# Altium PCB X98_CARRIER_V1R2_12082022.PcbDoc (part 5 of 10) (continued)
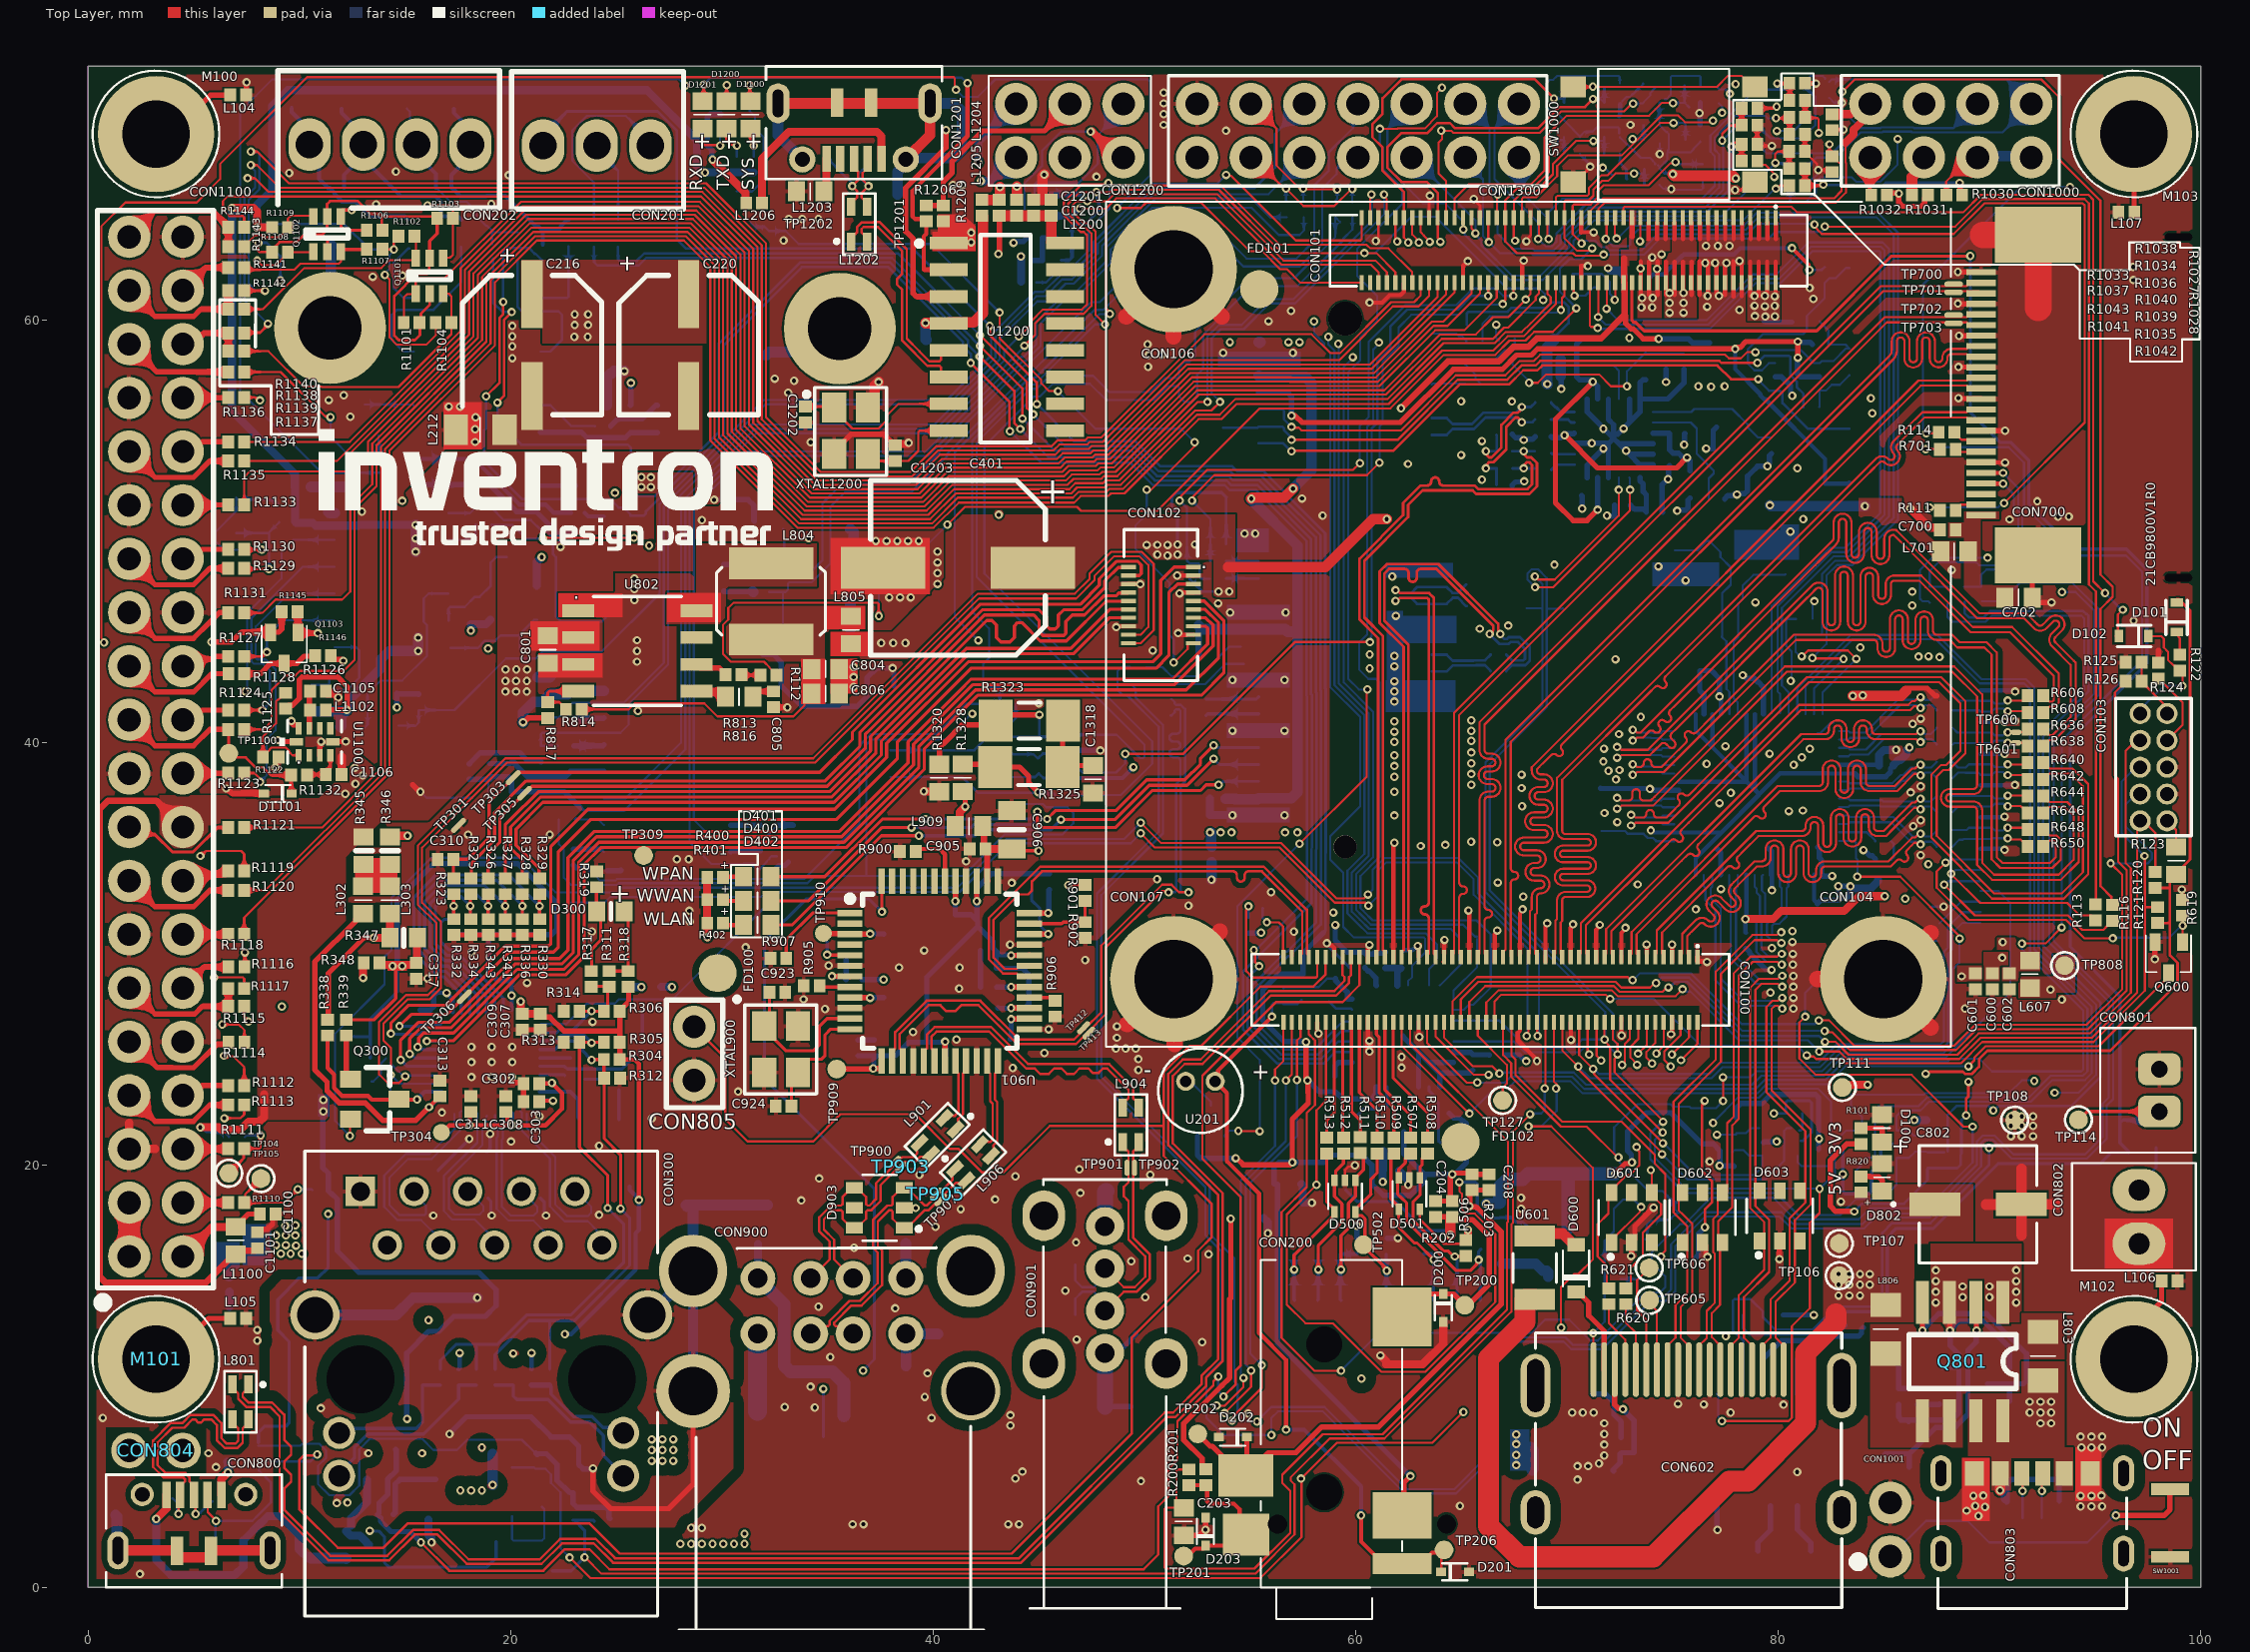
[diagram p0: Top Layer view]
## Nets (pads, with @x,y where several pads share a name; then routed paths per layer and width w, separated by ;. In a path a pad name is that pad's centre, name@x,y a point inside that pad or via, vN(x,y) a via of type N, cw(c..) or ccw(c..) an arc to the next point about the centre after c; other vN are vias at no path point) (continued)
  Bottom Layer w0.508: v1(19.138,4.848) 19.138,6.298 ; v1(20.582,40.953) 20.582,41.417 21.078,41.913 21.466,41.913 C1316.2@21.491,41.938 ; C1316.2@21.495,41.929 21.507,41.929 21.857,42.278 22.699,42.278 C1309.2@22.852,42.431 ; C1309.2@22.943,42.386 22.989,42.432 U1302.15@24.412,42.433 U1302.15@24.412,42.433 ; v1(53.174,33.499) C419.2@53.174,34.312 ; C410.2@69.704,57.346 C409.2@69.704,58.13
  other v1: 2.438,0.635 28.536,2.816 29.044,2.816 36.187,2.987 36.695,2.987 43.553,2.987 44.061,2.987 89.484,3.378 88.925,3.632 89.789,3.81 94.322,3.832 94.83,3.832 95.338,3.832 64.935,3.858 89.332,3.861 11.757,3.988 89.242,4.34 89.713,4.344 94.322,4.34 94.83,4.34 95.301,4.344 49.835,5.029 70.498,5.102 43.891,5.156 80.899,5.461 44.218,5.481 6.045,5.69 70.498,5.737 71.006,5.737 71.514,5.864 71.768,6.245 5.69,6.35 13.259,6.35 15.799,6.35 18.63,6.626 94.358,6.622 94.83,6.626 95.338,6.626 71.768,6.753 94.322,7.134 94.83,7.134 95.338,7.134 71.768,7.261 43.65,7.668 71.768,7.769 0.686,8.026 39.916,8.023 43.65,8.15 54.915,8.23 70.244,8.277 70.752,8.277 71.26,8.277 77.749,8.28 11.011,8.481 34.392,8.509 32.969,8.534 76.479,8.661 80.253,8.645 75.26,8.687 39.599,9.017 34.188,9.5 39.726,10.135 35.128,10.897 20.117,11.074 52.73,11.608 7.998,11.681 46.787,11.735 7.998,12.187 16.104,12.649 38.202,13.208 34.569,13.284 50.038,13.741 46.253,14.046 49.378,15.443 52.045,15.57 53.035,15.773 36.246,16.078 46.761,16.332 62.001,16.536 40.107,17.069 60.063,17.11 16.332,17.602 19.101,17.602 21.666,17.602 24.181,17.628 41.3,17.907 67.831,17.929 39.167,17.958 33.757,18.313 42.926,18.364 67.831,18.437 46.965,18.669 34.595,19.355 43.891,19.456 39.345,19.533 50.267,19.533 46.914,19.787 59.964,19.975 76.759,20.161 24.181,20.904 20.015,21.107 91.021,21.358 91.529,21.358 92.063,21.358 91.021,21.841 91.529,21.841 92.063,21.841 26.67,22.2 21.361,22.301 91.021,22.298 91.529,22.298 92.063,22.298 16.739,22.479 30.759,23.47 18.136,24.155 19.101,24.155 20.066,24.155 49.714,24.495 43.764,24.587 62.174,24.606 18.136,24.867 19.101,24.867 20.066,24.867 49.714,25.003 62.174,25.114 45.263,25.298 48.65,25.511 49.104,25.511 49.587,25.511 18.136,25.578 19.101,25.578 20.066,25.578 41.097,25.933 48.698,26.019 39.04,26.289 45.466,26.416 48.699,26.557 23.876,26.772 34.874,27.381 80.72,27.4 88.844,27.4 33.858,27.838 93.428,27.832 80.72,27.905 79.635,28.162 41.224,28.346 80.72,28.432 20.765,28.616 16.053,28.829 80.72,28.937 79.686,29.229 38.379,29.337 41.25,29.337 35.052,29.439 80.694,29.483 47.193,29.693 80.694,29.987 18.136,30.074 39.573,30.15 79.703,30.266 31.115,30.302 43.637,30.429 74.977,30.43 80.677,30.556 23.847,31.039 57.074,31.038 80.677,31.061 28.473,31.521 58.938,31.946 28.448,32.029 76.105,32.099 52.086,32.268 55.998,32.914 99.117,33.039 77.287,33.061 43.713,33.35 50.597,33.528 41.554,34.366 27.864,34.468 28.423,34.468 86.751,34.657 63.075,35.096 64.243,35.147 66.701,35.275 65.462,35.299 17.983,35.636 21.844,35.636 86.389,36.03 72.385,36.225 86.751,36.318 56.63,36.553 61.83,36.544 71.776,36.657 80.509,36.75 81.169,36.775 67.875,36.976 77.222,37.128 77.756,37.611 86.279,37.628 61.83,37.661 86.751,37.924 65.472,37.994 72.32,38.246 61.83,38.375 65.472,38.502 71.964,38.652 72.487,38.689 61.83,38.883 80.738,38.934 76.613,38.982 65.472,39.01 71.725,39.096 81.119,39.29 61.83,39.391 79.596,39.465 65.472,39.518 71.75,39.705 81.5,39.696 77.502,39.82 72.462,40.391 54.166,40.553 56.63,40.553 86.37,40.876 91.213,41.009 86.751,41.123 73.498,41.209 26.017,41.495 33.092,41.661 44.99,41.852 61.83,41.931 61.83,42.414 36.227,42.616 61.83,42.897 54.166,42.953 56.63,42.953 36.227,43.091 60.662,43.503 36.227,43.566 61.83,43.605 25.98,43.82 87.636,44.037 61.83,44.088 60.662,44.164 25.98,44.328 50.394,44.348 18.923,44.45 83.886,44.497 25.98,44.836 65.87,45.379 67.22,45.524 96.831,45.764 61.906,45.993 54.052,46.153 56.687,46.153 86.341,46.475 53.483,46.58 78.92,46.631 25.853,46.741 37.918,46.868 38.426,46.868 38.934,46.868 86.341,47.136 25.853,47.249 40.204,47.503 75.622,47.669 25.853,47.757 61.728,47.847 40.204,48.011 74.327,48.329 69.409,48.408 40.204,48.519 40.204,49.027 26.549,49.32 37.283,49.535 37.791,49.535 38.299,49.535 38.807,49.535 39.315,49.535 34.1,49.673 54.738,49.887 55.246,49.887 80.575,49.98 29.049,50.52 81.185,50.566 90.952,50.556 93.255,50.683 93.763,50.683 58.437,50.735 43.1,50.775 12.954,50.927 92.269,51.41 14.859,51.435 57.457,51.545 78.045,51.736 24.934,51.812 65.976,52.436 80.905,52.978 62.479,53.181 64.994,53.606 71.725,53.913 71.178,54.164 34.193,54.206 18.31,54.222 65.976,54.264 18.31,54.821 71.725,54.852 18.335,55.39 12.402,55.416 84.459,55.576 17.065,55.898 17.598,55.898 67.398,56.139 64.994,56.146 11.386,56.203 84.392,56.287 12.097,56.432 33.128,56.559 76.83,56.834 76.22,56.859 77.465,56.859 33.407,57.118 32.493,57.219 50.171,57.778 50.21,58.337 50.806,58.337 53.722,58.445 57.024,58.445 50.146,58.845 72.955,59.15 55.871,59.94 56.938,60.423 78.172,60.473 76.638,60.623 81.664,60.992 76.664,61.131 77.197,61.131 81.494,61.518 96.82,61.885 13.468,62.045 14.865,62.096 96.806,62.503 76.547,62.697 77.019,62.697 77.556,62.697 78.162,62.787 76.581,63.503 77.14,63.503 77.699,63.503 41.798,63.674 32.913,63.764 41.798,64.132 33.167,64.78 33.802,64.78 34.563,64.779 13.621,65.474 19.078,65.486 65.589,65.728 40.931,66.392 41.388,66.392 47.727,66.777 19.905,66.849 9.506,66.948 14.561,67.024 71.101,67.252 53.854,68.954 50.908,69.234 73.006,69.234 50.908,69.742 50.908,70.25 50.908,70.758 81.792,71.19
GPIO_EXP_1: CON101.54 R1118.1 | length 102.7
  Top Layer w0.102: R1118.1@7.375,30.91 7.375,31.697 14.253,38.575 14.253,53.805 19.249,58.801 19.249,61.777 21.23,63.758 28.198,63.758 29.445,62.511 29.445,54.289 33.574,50.16 40.019,50.16 41.211,51.352 46.671,51.352 46.98,51.66 48.289,51.66 48.418,51.789 49.052,51.789 52.566,55.303 53.644,55.303 54.357,56.017 61.563,56.017 64.093,58.546 66.513,58.546 67.192,59.225 67.952,59.225 68.367,59.64 69.479,60.753 CON101.54@69.479,61.757
GPIO_EXP_2: CON101.60 R1133.1 | length 84.5
  Top Layer w0.102: R1133.1@7.375,51.251 7.375,52.562 7.645,52.832 12.344,52.832 12.548,53.035 ; 12.549,53.033 13.237,53.721 13.237,54.226 18.233,59.222 18.233,62.198 20.809,64.774 28.619,64.774 30.461,62.932 30.461,54.71 33.995,51.176 39.598,51.176 40.819,52.396 46.279,52.396 46.559,52.676 47.868,52.676 47.997,52.805 48.631,52.805 52.496,56.67 56.701,56.67 56.705,56.667 61.351,56.667 63.994,59.309 65.684,59.309 66.503,60.128 67.214,60.128 v1(68.047,60.96) 68.047,60.993 68.279,61.226 CON101.60@68.279,61.757
GPIO_EXP_3: CON101.74 R1134.1 | length 79.6
  Top Layer w0.102: R1134.1@7.375,54.229 12.378,54.229 17.623,59.474 17.623,62.451 20.556,65.384 28.871,65.384 31.07,63.185 31.07,54.962 34.247,51.786 39.346,51.786 40.566,53.006 46.026,53.006 46.306,53.286 47.616,53.286 47.744,53.414 48.378,53.414 52.244,57.28 56.954,57.28 56.957,57.276 60.961,57.276 63.603,59.919 64.145,59.919 65.481,61.254 CON101.74@65.481,61.975
GPIO_EXP_4: CON101.56 R1120.2 | length 101.1
  Top Layer w0.102: R1120.2@7.375,32.997 8.388,32.997 14.049,38.659 14.049,53.889 19.046,58.885 19.046,61.862 21.145,63.961 28.282,63.961 29.648,62.596 29.648,54.373 33.658,50.363 39.935,50.363 41.155,51.583 46.615,51.583 46.895,51.864 48.205,51.864 48.333,51.992 48.968,51.992 52.482,55.507 53.56,55.507 54.314,56.26 61.52,56.26 64.162,58.903 66.583,58.903 67.108,59.428 67.867,59.428 68.283,59.844 69.23,60.791 69.23,61.083 69.079,61.234 CON101.56@69.079,61.757
GPIO_EXP_5: CON101.93 R1121.2 | length 97.2
  Top Layer w0.102: R1121.2@7.375,35.969 11.073,35.969 13.846,38.743 13.846,53.973 18.842,58.969 18.842,61.946 21.061,64.165 28.366,64.165 29.851,62.68 29.851,54.457 33.742,50.566 39.851,50.566 41.071,51.787 46.531,51.787 46.811,52.067 48.121,52.067 48.249,52.195 48.883,52.195 52.398,55.71 53.171,55.71 v1(53.576,56.115) ; v1(61.341,65.937) 61.341,65.856 61.471,65.727 CON101.93@61.471,64.837
  Bottom Layer w0.102: v1(53.576,56.115) 53.576,56.129 53.182,56.523 53.182,59.13 53.615,59.564 54.707,59.564 55.922,60.778 57.138,60.778 61.341,64.982 v1(61.341,65.937)
GPIO_EXP_6: CON101.97 R1125.2 | length 91.6
  Top Layer w0.102: R1125.2@7.375,40.613 8.312,40.613 8.681,40.982 8.681,42.48 9.372,43.171 9.804,43.171 10.018,43.385 12.083,43.385 12.602,43.904 12.602,51.094 13.643,52.135 13.643,54.057 18.639,59.054 18.639,62.03 20.977,64.368 28.451,64.368 30.054,62.764 30.054,54.541 33.826,50.77 39.767,50.77 40.987,51.99 46.447,51.99 46.727,52.27 48.037,52.27 48.165,52.398 48.799,52.398 52.515,56.115 v1(52.983,56.115) ; CON101.97@60.679,64.837 60.679,65.792 60.743,65.856 v1(60.743,65.937)
  Bottom Layer w0.102: v1(52.983,56.115) 52.979,56.119 52.979,59.215 53.531,59.767 54.595,59.767 55.809,60.981 57.054,60.981 60.743,64.671 v1(60.743,65.937)
GPIO_EXP_7: CON101.58 R1131.2 | length 89.5
  Top Layer w0.102: R1131.2@7.375,46.129 8.235,46.129 8.867,46.761 12.017,46.761 12.398,47.142 12.398,51.178 13.44,52.219 13.44,54.142 18.436,59.138 18.436,62.114 20.893,64.571 28.535,64.571 30.258,62.848 30.258,54.625 33.91,50.973 39.682,50.973 40.903,52.193 46.363,52.193 46.643,52.473 47.953,52.473 48.081,52.602 48.715,52.602 52.58,56.467 56.617,56.467 56.621,56.463 61.435,56.463 64.078,59.106 66.498,59.106 67.024,59.631 67.216,59.631 68.525,60.94 68.525,61.1 68.679,61.254 CON101.58@68.679,61.757
GPIO_EXP_8: CON101.68 R1137.2 | length 83.4
  Top Layer w0.102: R1137.2@7.375,57.534 9.103,57.534 11.205,55.432 11.43,55.432 v1(11.465,55.397) ; v1(12.478,53.46) 12.478,53.754 18.03,59.306 18.03,62.282 20.725,64.977 28.703,64.977 30.664,63.016 30.664,54.794 34.079,51.379 39.514,51.379 40.734,52.599 46.194,52.599 46.475,52.88 47.784,52.88 47.913,53.008 48.547,53.008 52.412,56.873 56.786,56.873 56.789,56.87 61.129,56.87 63.771,59.512 65.141,59.512 66.675,61.046 CON101.68@66.675,61.757
  Bottom Layer w0.102: v1(11.465,55.397) 11.465,54.473 v1(12.478,53.46)
GPIO_EXP_9: Q1101.6 R1102.1 R1140.2 | length 10.1
  Top Layer w0.102: R1140.2@7.375,60.506 8.271,60.506 10.221,62.455 13.87,62.455 14.234,62.82 15.504,62.82 Q1101.6@15.552,62.868 ; Q1101.6@15.504,62.915 R1102.1@15.504,63.866
GPIO_EXP_9_1V8: CON101.78 Q1101.1 R1101.1 | length 68
  Top Layer w0.102: R1101.1@14.935,59.969 14.935,60.579 14.935,61.062 15.088,61.214 15.355,61.214 15.494,61.353 15.494,61.824 15.634,61.963 16.848,61.963 20.472,65.587 28.956,65.587 31.274,63.269 31.274,55.046 34.331,51.989 39.262,51.989 40.482,53.209 45.942,53.209 46.222,53.489 47.532,53.489 47.66,53.618 48.294,53.618 52.16,57.483 57.038,57.483 57.042,57.479 60.862,57.479 64.679,61.297 CON101.78@64.679,61.976
GPIO_EXP_10: Q1102.3 R1107.1 R1141.1 | length 6.4
  Top Layer w0.102: R1141.1@7.375,62.477 7.474,62.378 9.753,62.378 10.033,62.659 11.859,62.659 11.963,62.763 11.963,63.017 Q1102.3@11.989,63.043
  Top Layer w0.152: Q1102.3@11.913,63.322 11.93,63.339 R1107.1@13.179,63.339
GPIO_EXP_10_1V8: CON100.100 Q1102.4 R1106.1 | length 123.8
  Top Layer w0.102: v1(53.416,8.603) 53.81,8.603 54.682,9.475 v1(54.682,9.917) ; v1(56.179,24.001) 56.179,24.525 56.579,24.926 CON100.100@56.579,26.757 CON100.100@56.579,26.815
  Top Layer w0.152: Q1102.4@11.989,64.694 11.963,64.668 11.963,64.389 12.106,64.246 R1106.1@13.179,64.246 ; Q1102.4@11.989,65.176 12.019,65.207 v1(12.466,65.207)
  Layer 2 w0.102: 8.966,62.484 8.839,62.357 8.026,62.357 7.789,62.119 7.789,57.879 9.392,56.276 9.392,45.371 10.372,44.391 10.372,31.841 10.253,31.721 10.253,19.862 10.994,19.12 10.994,17.352 11.481,16.866 12.268,16.866 14.529,14.605 14.529,13.34 21.621,6.248 23.139,6.248 23.495,6.604 24.282,6.604 24.638,6.248 25.832,6.248 26.671,5.41 27.962,5.41 42.94,5.41 45.988,8.458 53.271,8.458 v1(53.416,8.603) ; 8.97,62.48 11.697,65.207 v1(12.466,65.207)
  Bottom Layer w0.102: v1(54.682,9.917) 54.682,9.98 54.557,10.104 54.557,19.277 56.179,20.898 v1(56.179,24.001)
GPIO_EXP_11: Q1101.3 R1104.1 R1139.1 | length 13.8
  Top Layer w0.102: R1139.1@7.375,58.52 8.523,58.52 10.192,56.851 11.022,56.851 11.054,56.819 14.68,56.819 17.191,59.33 17.191,61.117 17.069,61.239 Q1101.3@16.815,61.239
GPIO_EXP_11_1V8: CON100.96 Q1101.4 R1103.1 | length 133.4
  Top Layer w0.102: v1@16.104,65.43 16.11,65.424 17.126,65.424 17.26,65.29 R1103.1@17.26,64.814 17.26,63.082 17.12,62.941 Q1101.4@16.764,62.941 ; v1(54.152,7.892) 54.21,7.949 54.21,8.101 55.555,9.447 v1(55.555,10.515) ; v1(57.216,24.016) 57.22,24.02 57.22,25.886 57.385,26.051 CON100.96@57.385,26.815
  Layer 2 w0.102: v1@16.04,65.405 15.572,64.937 13.629,64.937 13.006,65.559 10.924,65.559 8.585,63.221 7.696,63.221 7.382,62.907 7.382,57.711 8.985,56.108 8.985,45.185 9.966,44.205 9.966,32.009 9.846,31.889 9.846,19.694 10.588,18.952 10.588,17.184 11.312,16.459 12.1,16.459 14.122,14.437 14.122,13.146 14.244,13.025 23.211,4.058 26.825,4.058 27.771,5.003 43.108,5.003 45.997,7.892 v1(54.152,7.892)
  Bottom Layer w0.102: v1(55.555,10.515) 55.01,11.06 55.01,19.154 57.22,21.364 57.22,24.012 v1(57.216,24.016)
  other v1: 16.059,65.424
GPIO_EXP_12: Q1102.6 R1109.1 R1143.2 | length 4.1
  Top Layer w0.102: R1143.2@7.375,63.472 7.375,63.498 7.878,64.001 8.211,64.001 8.296,63.916 9.04,63.916 R1109.1@9.412,64.288 ; R1109.1@9.444,64.373 9.449,64.378 9.449,64.795 9.576,64.922 Q1102.6@10.592,64.922
GPIO_EXP_12_1V8: CON100.98 Q1102.1 R1108.1 | length 120.9
  Top Layer w0.102: v1(7.991,62.807) 8.213,62.586 8.876,62.586 R1108.1@9.328,63.038 ; R1108.1@9.444,63.212 10.685,63.212 Q1102.1@10.693,63.221 ; v1(53.797,8.247) 55.047,9.497 v1(55.047,10.261) ; v1(56.692,23.995) 56.972,24.275 CON100.98@56.972,26.815
  Layer 2 w0.102: v1@7.976,62.789 7.973,62.789 7.586,62.401 7.586,57.795 9.189,56.192 9.189,45.269 10.169,44.289 10.169,31.925 10.049,31.805 10.049,19.778 10.791,19.036 10.791,17.268 11.397,16.662 12.184,16.662 14.326,14.521 14.326,13.23 23.295,4.261 26.741,4.261 27.687,5.206 43.024,5.206 46.065,8.247 v1(53.797,8.247)
  Bottom Layer w0.102: v1(55.047,10.261) 55.047,10.278 54.806,10.519 54.806,19.238 56.692,21.124 v1(56.692,23.995)
HDMI_HPD: CON100.48 Q601.2 R627.2 TP603.1 U600.14 | length 49.8
  Top Layer w0.102: CON100.48@66.979,26.815 66.979,25.197 67.36,24.816 67.36,24.17 69.719,21.812 70.938,21.812 72.393,20.356 v1(72.437,20.356) ; v1@77.392,23.027 v1(77.392,24.148) ; v1(83.75,33.639) 85.781,33.639 v1@88.576,30.844
  Bottom Layer w0.102: v1@72.402,20.322 72.402,20.398 72.235,20.565 72.235,21.772 73.341,22.878 74.907,22.878 75.034,22.751 75.817,22.751 75.884,22.685 77.052,22.685 v1(77.395,23.027) 77.431,23.063 v1@77.47,23.063 ; v1(72.437,20.356) 72.494,20.299 72.494,20.124 73.858,18.76 74.525,18.76 75.137,18.148 75.137,17.867 75.287,17.717 75.203,17.717 75.101,17.615 75.074,17.615 74.864,17.404 74.24,17.404 74.184,17.348 74.184,17.337 R627.2@73.944,17.337 ; Q601.2@73.725,16.479 Q601.2@73.806,16.56 ; Q601.2@73.79,16.575 73.79,17.183 R627.2@73.944,17.337 ; R627.2@73.968,17.361 R627.2@73.944,17.337 ; v1(77.392,24.148) 78.687,24.148 78.967,24.428 82.075,24.428 82.937,25.291 87.843,25.291 88.251,25.699 88.251,29.25 88.576,29.575 88.576,30.704 v1(88.593,30.721) ; U600.14@82.897,35.339 83.59,35.339 83.685,35.244 83.685,34.514 83.75,34.45 v1(83.75,33.639)
HDMI_XTALI: C613.1 R600.1 U600.53 XTAL600.1 | length 10.8
  Bottom Layer w0.102: C613.1@75.102,49.096 76.192,49.096 XTAL600.1@76.623,49.527 76.748,49.527 77.272,49.003 77.272,48.768 77.75,48.29 77.75,47.462 77.344,47.056 R600.1@77.344,46.553 77.344,45.027 77.322,45.005 77.55,44.776 77.55,42.528 77.693,42.385 77.693,41.343 U600.53@77.697,41.339
HDMI_XTALO: C612.1 R600.2 U600.54 XTAL600.3 | length 8.6
  Bottom Layer w0.102: U600.54@78.097,41.339 78.089,41.347 78.089,41.885 77.896,42.078 77.896,44.792 78.109,45.005 78.109,46.538 R600.2@78.094,46.553 78.323,46.782 78.323,47.426 XTAL600.3@78.823,47.927 80.32,47.927 C612.1@80.344,47.951
HDMICK_N: CON602.12 D602.1 U600.21 | length 27.9
  Top Layer w0.102: CON602.12@74.762,10.309 74.76,11.442 75.138,11.821 75.138,13.359 75.692,13.912 75.692,16.323 75.692,17.106 75.145,17.652 75.044,17.754 75.044,19.156 75.049,19.161 75.049,22.991 77.049,24.991 77.049,29.148 78.781,30.881 79.935,30.881 80.064,31.01 v1(80.143,31.01)
  Bottom Layer w0.102: v1(80.143,31.01) 80.064,31.01 79.935,30.881 79.774,30.881 79.711,30.943 79.711,31.311 79.813,31.413 80.055,31.413 80.405,31.762 80.405,33.102 80.483,33.18 U600.21@80.483,33.73
HDMICK_P: CON602.10 D602.6 U600.22 | length 28
  Top Layer w0.102: CON602.10@75.76,10.309 75.76,11.442 75.382,11.821 75.382,13.258 75.935,13.812 75.935,17.207 75.792,17.349 75.489,17.652 75.287,17.855 75.287,19.003 75.292,19.009 75.292,22.89 77.292,24.89 77.292,29.047 78.882,30.637 79.944,30.637 80.073,30.508 v1(80.152,30.508)
  Bottom Layer w0.102: U600.22@80.083,33.73 80.083,33.18 80.161,33.102 80.161,31.863 79.97,31.672 79.728,31.672 79.468,31.412 79.468,30.842 79.673,30.637 79.944,30.637 80.073,30.508 v1(80.152,30.508)
HDMITX0_N: CON602.9 D602.4 U600.24 | length 27.1
  Top Layer w0.102: CON602.9@76.26,10.309 76.26,11.443 76.617,11.8 76.617,13.085 77.004,13.473 77.004,15.79 76.918,15.877 76.918,17.432 77.147,17.661 77.147,18.344 77.496,18.693 77.589,18.693 77.589,21.975 77.89,22.276 77.89,29.052 78.697,29.858 79.96,29.858 80.092,29.991 v1(80.169,29.991)
  Bottom Layer w0.102: U600.24@79.283,33.73 79.234,33.681 79.234,33.077 79.228,33.072 79.228,32.987 79.381,32.834 79.381,31.613 79.211,31.442 79.211,30.188 79.54,29.858 79.96,29.858 80.092,29.991 v1(80.169,29.991)
HDMITX0_P: CON602.7 D602.3 U600.25 | length 27
  Top Layer w0.102: CON602.7@77.26,10.309 77.26,11.443 76.86,11.843 76.86,12.985 77.247,13.372 77.247,16.236 77.161,16.323 77.161,17.331 77.832,18.003 77.832,21.874 78.133,22.175 78.133,28.951 78.797,29.615 79.96,29.615 80.092,29.483 v1(80.169,29.483)
  Bottom Layer w0.102: U600.25@78.883,33.73 78.883,33.18 78.985,33.078 78.985,32.887 79.138,32.734 79.138,31.713 78.967,31.542 78.967,30.087 79.439,29.615 79.96,29.615 80.092,29.483 v1(80.169,29.483)
HDMITX1_N: CON602.6 D603.1 U600.27 | length 27.3
  Top Layer w0.102: CON602.6@77.762,10.309 77.76,11.443 78.138,11.821 78.138,13.838 79.331,15.03 79.331,17.302 78.681,17.952 78.681,28.391 79.103,28.813 79.82,28.813 79.985,28.813 80.122,28.949 v1(80.194,28.949)
  Bottom Layer w0.102: U600.27@78.083,33.73 78.083,33.18 78.005,33.102 78.005,29.869 79.051,28.822 79.061,28.812 79.985,28.812 80.122,28.949 v1(80.194,28.949)
HDMITX1_P: CON602.4 D603.6 U600.28 | length 27.3
  Top Layer w0.102: CON602.4@78.76,10.309 78.76,11.443 78.382,11.821 78.382,13.737 79.574,14.929 79.574,17.403 79.431,17.545 79.381,17.595 78.924,18.053 78.924,28.29 79.204,28.569 79.72,28.569 79.985,28.569 80.122,28.432 v1(80.194,28.432)
  Bottom Layer w0.102: U600.28@77.683,33.73 77.683,33.18 77.761,33.102 77.761,29.768 78.96,28.569 79.985,28.569 80.122,28.432 v1(80.194,28.432)
HDMITX2_N: CON602.3 D603.4 U600.30 | length 28.2
  Top Layer w0.102: CON602.3@79.26,10.309 79.26,11.442 79.638,11.821 79.638,13.618 80.55,14.529 80.55,17.483 81.286,18.219 81.286,21.595 79.768,23.113 79.443,23.438 79.443,27.478 79.741,27.775 79.985,27.775 80.118,27.908 v1(80.194,27.908)
  Bottom Layer w0.102: U600.30@76.883,33.73 76.883,33.18 76.805,33.102 76.805,32.621 77.273,32.152 77.273,28.836 78.334,27.775 79.985,27.775 80.118,27.908 v1(80.194,27.908)
HDMITX2_P: CON602.1 D603.3 U600.31 | length 28.2
  Top Layer w0.102: v1(80.194,27.4) 80.118,27.4 79.985,27.532 79.842,27.532 79.686,27.377 79.686,23.539 80.112,23.113 81.53,21.696 81.53,18.118 80.793,17.382 80.793,14.429 79.882,13.517 79.882,11.821 80.26,11.442 CON602.1@80.26,10.309
  Bottom Layer w0.102: U600.31@76.483,33.73 76.483,33.18 76.561,33.102 76.561,32.52 77.03,32.052 77.03,28.735 78.233,27.532 79.985,27.532 80.118,27.4 v1(80.194,27.4)
HP_DETECT: C203.2 CON100.70 R201.1 | length 45.4
  Top Layer w0.102: C203.2@51.862,3.766 51.506,4.121 51.506,5.524 51.565,5.584 R201.1@52.222,5.584 ; C203.2@51.869,3.766 50.999,3.766 50.94,3.706 50.94,0.946 50.999,0.886 55.202,0.886 56.902,2.587 56.902,4.568 56.523,4.947 56.523,5.333 58.44,7.249 61.275,7.249 67.165,13.139 67.165,17.268 67.203,17.306 67.203,21.108 62.579,25.732 CON100.70@62.579,26.815
HPD: CON602.19 D601.1 R623.2 R624.2 | length 11.8
  Top Layer w0.102: CON602.19@71.18,11.212 71.262,11.13 CON602.19@71.262,10.309 ; v1(71.247,12.04) 71.247,11.322 CON602.19@71.272,11.297 ; D601.1@72.118,16.323 72.118,16.448 73.456,17.785 73.456,17.951 v1(73.513,18.008)
  Bottom Layer w0.102: v1(71.247,12.04) 71.787,12.58 R623.2@71.787,14.594 71.787,15.428 71.787,16.41 72.221,16.844 72.221,17.926 72.656,18.36 73.16,18.36 73.447,18.074 v1@73.485,18.074
I2C2_SCL_1V8: Q602.4 R629.1 U600.62 | length 47.8
  Bottom Layer w0.102: U600.62@81.297,41.339 81.295,41.341 81.295,42.645 83.532,44.881 87.453,44.881 89.544,42.79 91.651,42.79 91.923,42.518 91.923,30.116 93.652,28.387 93.658,28.387 93.983,28.062 93.983,28.056 94.647,27.392 94.647,24.429 94.438,24.221 92.902,24.221 91.879,23.198 87.053,23.198 86.639,22.784 84.734,22.784 84.582,22.631 84.582,20.405 84.522,20.345 Q602.4@84.099,20.345 ; R629.1@83.679,19.198 83.679,19.722 83.947,19.99 83.947,20.269 Q602.4@83.972,20.295
I2C2_SCL_3V3: CON100.22 Q602.3 R100.1 R628.1 R702.2 TP100.1 U200.29 U400.8 U1101.6 | length 135.3
  Top Layer w0.102: v1(68.488,47.346) 69.349,47.346 72.986,50.983 v1(72.986,51.953) ; CON100.22@72.179,26.757 72.179,25.938 72.396,25.721 v1(72.396,25.233) 72.396,25.152 72.256,25.012 72.256,24.383 74.552,22.087 v1(74.552,22.044)
  Layer 2 w0.117: v1(89.992,20.803) 89.992,21.615 90.195,21.819 v1@90.195,22.631
  Bottom Layer w0.102: U200.29@64.628,25.844 67.495,25.844 68.014,25.325 70.582,25.325 70.837,25.58 72.012,25.58 72.36,25.233 v1(72.396,25.233) 72.396,25.712 72.188,25.92 72.188,27.152 66.349,32.992 66.349,38.966 69.044,41.661 69.044,46.326 ; v1(68.488,47.346) 68.133,47.702 68.133,47.994 68.339,48.2 68.631,48.2 69.044,47.787 69.044,46.326 ; TP100.1@69.811,46.352 69.785,46.326 69.044,46.326 ; U400.8@72.961,52.531 72.974,52.519 72.974,51.965 v1(72.986,51.953) ; v1(74.552,22.044) 74.512,22.044 73.949,21.481 73.949,20.278 75.558,18.669 79.902,18.669 80.943,17.628 82.931,17.628 83.693,18.39 84.938,18.39 85.598,19.05 Q602.3@85.598,20.295 ; Q602.3@85.597,20.33 86.193,20.33 86.487,20.625 R628.1@87.02,20.625
  Bottom Layer w0.117: U1101.6@78.364,9.166 78.364,11.662 77.854,12.172 77.854,13.566 77.931,13.644 78.695,13.644 78.824,13.515 79.289,13.05 79.289,12.772 79.847,12.214 81.657,12.214 82.728,13.284 84.732,13.284 84.931,13.483 84.931,16.783 85.395,17.247 87.224,17.247 89.992,20.015 v1(89.992,20.803) ; R628.1@87.076,20.598 87.857,20.598 R100.1@87.859,20.599 ; R100.1@88.024,20.637 88.024,22.365 88.443,22.784 89.967,22.784 90.195,22.555 90.424,22.784 93.874,22.784 95.264,24.173 95.264,27.672 92.54,30.396 92.54,40.267 94.699,42.426 94.699,45.992 94.615,46.076 94.578,46.076 94.442,46.212 90.034,46.212 89.742,45.92 89.03,45.92 88.824,46.126 R702.2@88.824,46.634
  other v1: 90.183,22.578
I2C2_SDA_1V8: Q602.1 R625.1 U600.61 | length 46.1
  Bottom Layer w0.102: U600.61@80.897,41.339 80.907,41.349 80.907,42.557 83.435,45.084 87.537,45.084 89.628,42.993 91.735,42.993 92.126,42.602 92.126,30.201 93.736,28.59 93.742,28.59 94.186,28.146 94.186,28.14 94.85,27.476 94.85,24.345 94.523,24.018 92.987,24.018 91.964,22.995 87.155,22.995 86.741,22.581 85.852,22.581 85.598,22.327 Q602.1@85.598,21.666 ; Q602.1@85.597,21.63 86.167,21.63 86.411,21.387 R625.1@86.97,21.387
I2C2_SDA_3V3: CON100.24 Q602.6 R102.1 R626.1 R704.2 TP101.1 U200.27 U400.9 U1101.5 | length 123.3
  Top Layer w0.102: v1(68.485,47.848) 68.622,47.711 69.426,47.711 72.453,50.737 v1(72.453,51.953) ; CON100.24@71.779,26.757 v1(71.779,25.938) 71.779,25.861 72.044,25.597 72.044,24.035 v1(74.537,21.542) ; v1(77.337,7.878) 80.498,7.878 80.652,8.032 80.652,12.36 81.504,13.212 81.504,17.26 81.962,17.719 v1(81.962,18.867)
  Layer 2 w0.102: v1(92.126,23.978) 92.685,23.419 93.066,23.419 v1@93.091,23.393
  Bottom Layer w0.102: TP101.1@68.084,46.352 68.79,46.352 68.841,46.301 ; v1(68.485,47.848) 68.841,47.492 68.841,46.301 ; 71.813,27.168 71.813,27.24 66.145,32.908 66.145,39.05 68.841,41.745 68.841,46.301 ; v1(72.453,51.953) 72.457,51.957 72.457,52.527 U400.9@72.461,52.531 ; v1(74.537,21.542) 74.523,21.542 74.152,21.171 74.152,20.362 75.642,18.872 81.957,18.872 v1(81.962,18.867) 81.962,18.929 82.024,18.929 82.702,19.608 82.702,21.107 ; U1101.5@77.094,9.166 77.156,9.104 77.156,8.087 77.337,7.906 v1(77.337,7.878) ; 82.702,20.282 82.702,21.107 ; R102.1@83.458,23.321 83.458,22.79 83.972,22.276 Q602.6@83.972,21.692 ; R102.1@83.515,23.292 83.544,23.321 R626.1@84.917,23.321 86.889,23.321 86.969,23.401 90.94,23.401 91.542,24.003 v1@92.126,24.003 ; Q602.6@83.643,21.632 83.626,21.615 83.21,21.615 82.702,21.107 ; R704.2@88.011,46.533 88.011,45.949 88.251,45.709 89.829,45.709 90.121,46.001 94.354,46.001 94.488,45.868 94.488,42.513 92.329,40.354 92.329,30.309 95.053,27.585 95.053,24.261 94.211,23.419 v1(93.091,23.419)
  Bottom Layer w0.117: U200.27@64.628,26.844 66.793,26.844 68.102,25.536 70.318,25.536 70.72,25.938 v1(71.779,25.938) 71.813,25.972 71.813,27.168
I2C3_SCL_3V3: CON100.30 CON600.22 Q603.1 R103.1 R630.1 R1130.1 TP102.1 U1100.10 | length 163.9
  Top Layer w0.102: R1130.1@7.396,49.118 v1(8.206,49.118) ; CON100.30@70.579,26.815 CON100.30@70.579,26.757 70.579,25.202 v1(71.244,24.538) 71.291,24.491 71.291,24.29 74.54,21.041 v1(74.54,21.027)
  Top Layer w0.254: v1(8.978,40.109) 9.017,40.109 9.09,40.036 9.837,40.036 U1100.10@9.846,40.026
  Layer 2 w0.102: v1(8.206,49.118) 8.206,49.038 8.002,48.834 8.002,45.219 8.978,44.243 v1(8.978,40.109) 8.978,39.424 8.513,38.959 8.513,38.511 9.105,37.919 9.105,27.945 8.805,27.645 8.805,27.353 8.978,27.18 8.978,21.39 8.39,20.801 8.39,15.85 8.796,15.443 10.541,15.443 10.947,15.85 11.847,15.85 13.513,14.184 13.513,12.894 13.762,12.644 22.978,3.429 27.062,3.429 28.027,4.394 44.266,4.394 47.006,7.133 55.24,7.133 56.124,8.017 60.245,8.017 69.346,17.118 69.346,21.832 71.244,23.73 v1(71.244,24.538)
  Bottom Layer w0.102: v1(8.206,49.118) 6.418,49.118 6.011,49.526 6.011,49.954 7.001,50.944 TP102.1@7.001,51.585 7.091,51.496 8.798,51.496 9.026,51.267 R103.1@9.026,51.242 ; v1(71.244,24.538) 71.275,24.538 71.509,24.304 76.763,24.304 77.293,24.835 81.906,24.835 82.769,25.697 87.674,25.697 87.844,25.867 87.844,30.092 88.038,30.285 88.038,31.272 88.728,31.963 CON600.22@89.581,31.963 CON600.22@89.591,31.973 ; v1(74.54,21.027) 74.569,21.027 76.078,19.518 78.852,19.518 79.248,19.914 Q603.1@79.248,20.371 ; R630.1@77.826,20.599 R630.1@77.858,20.632 ; R630.1@77.953,20.701 78.359,20.701 78.628,20.432 Q603.1@79.249,20.432
I2C3_SCL_5V: D601.4 Q603.6 R620.1 R631.1 | length 24.8
  Top Layer w0.102: R620.1@72.782,14.158 72.799,14.158 73.028,14.386 73.028,15.132 73.591,15.695 73.591,16.786 74.454,17.649 74.454,18.132 74.018,18.568 74.018,19.708 v1(73.971,19.754)
  Layer 2 w0.102: v1(73.971,19.754) 73.249,20.477 73.166,20.477 72.933,20.709 72.933,21.25 74.324,22.641 76.267,22.641 v1(76.922,21.986)
  Bottom Layer w0.102: v1@76.911,21.996 78.101,23.186 79.101,23.186 79.528,23.614 81.883,23.614 82.499,22.997 82.499,20.009 82.44,19.95 81.894,19.95 81.092,19.95 80.924,20.118 Q603.6@80.924,20.432